# KiCad board central-control-unit.kicad_pcb (continued)
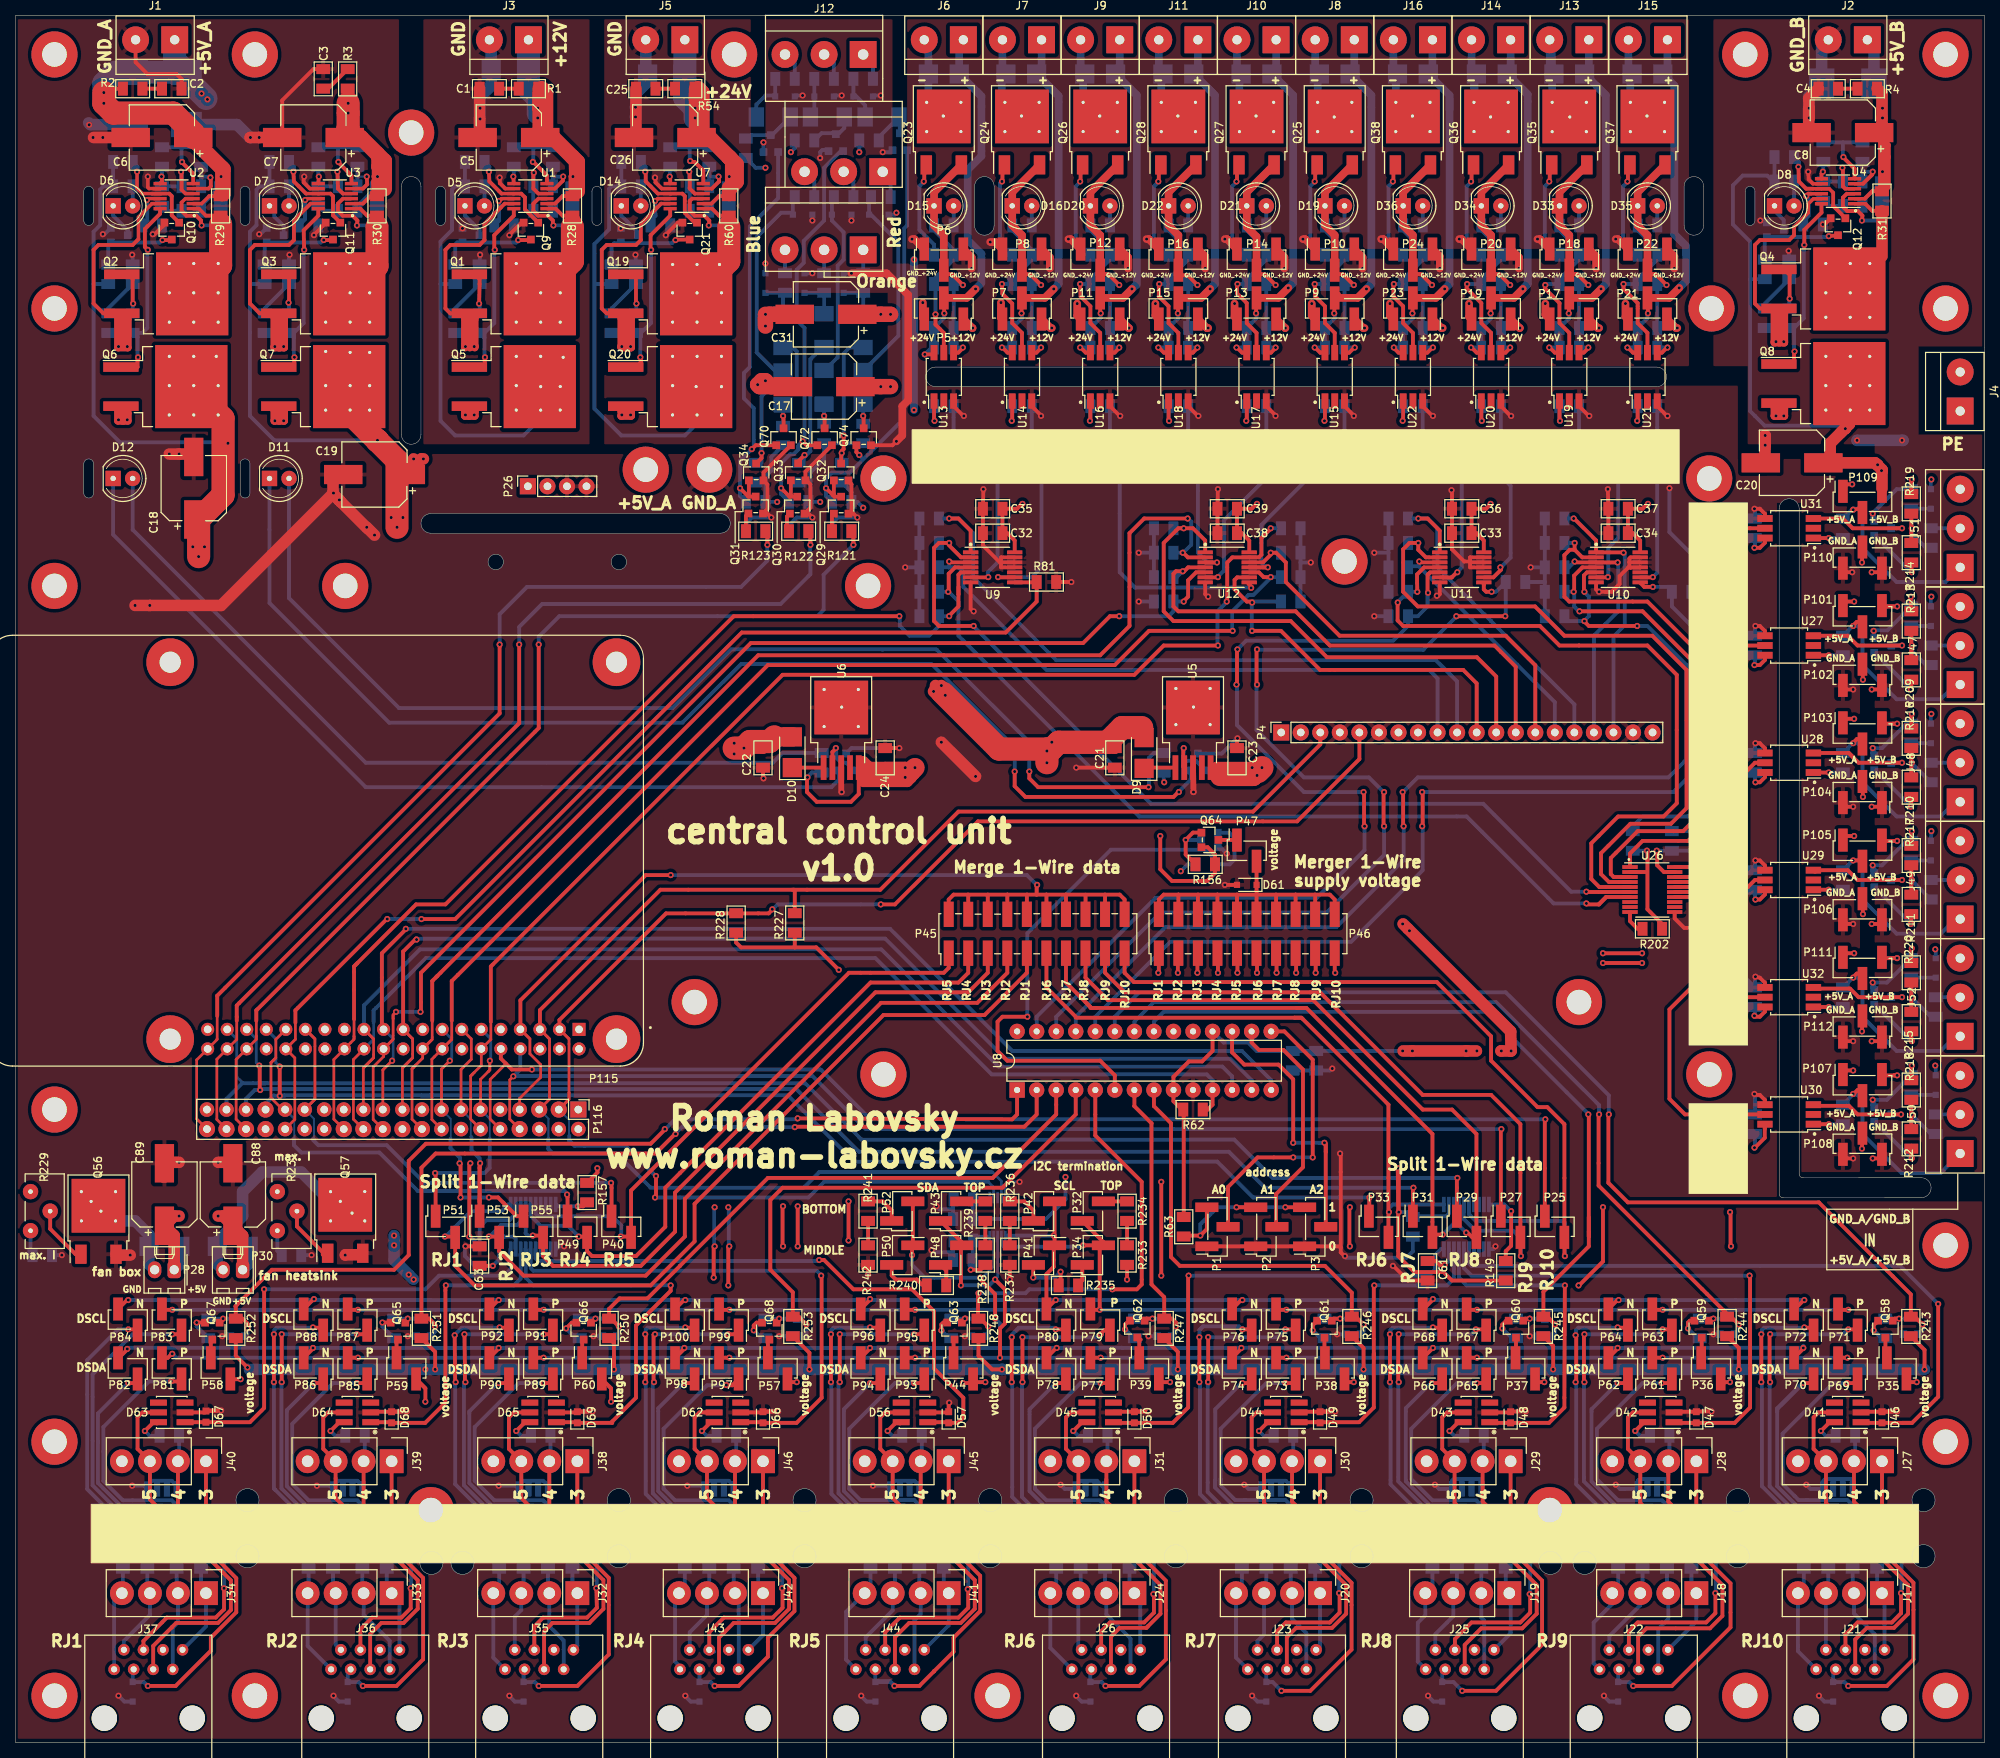
[diagram p0: board, top side]
## Routing (per net, layer and track width the routed paths; a pad name or vN(x,y) marks a point on that pad's centre or on a via; arc(x,y) is an arc through that point) (continued)
  Bottom w0.5: 72.39,203.58 R24.1 69.85,199.77 R5.1
  Bottom w1.5: 66.67,220.73 66.67,217.16 66.44,216.92 66.44,215.25 67.94,213.74 ; 67.94,211.84 67.94,211.2
  Bottom w3: J3.1 66.67,215.01 67.94,213.74 67.94,211.84
  vias: v1(67.88,211.2)
Net-(D4-A1): length 48.1
  Top w0.25: 240.33,200.7 241.3,201.68
  Top w0.45: U4.2 240.33,200.7
  Top w0.5: R31.2 241.3,201.68 240.35,200.73 240.33,200.73
  Top w1: 243.21,206.12 243.21,202.31 R31.2 242.57,204.22 ; 243.21,206.12 243.21,207.64 C8.1 242.57,208.28 242.57,204.22 ; 243.21,206.12 242.57,204.22 ; 242.57,204.22 v1(242.63,204.22) 242.57,205.49
  Top w1.5: C8.1 242.57,210.31 242.57,214.38 R4.1
  Bottom w0.5: 242.57,204.22 R27.1 240.03,200.41 240.03,199.77
  Bottom w1.5: 242.57,211.2 242.57,214.6 D4.1 241.53,220.5 J2.1
  vias: v1(242.63,212.47) v1(242.63,211.2)
Net-(D5-A): length 2.5
  Bottom w0.5: R48.2 D5.2
Net-(D5-K): length 4.6
  Bottom w0.5: Q13.3 60.3,196.62 58.42,198.5 D5.1
Net-(D6-A): length 2.5
  Bottom w0.5: R49.2 D6.2
Net-(D6-K): length 4.6
  Bottom w0.5: D6.1 12.7,198.5 14.6,196.6 Q14.3
Net-(D7-A): length 2.5
  Bottom w0.5: R50.2 D7.2
Net-(D7-K): length 4.3
  Bottom w0.5: Q15.3 34.85,197.16 33.66,198.36 33.66,199.77
Net-(D8-A): length 2.5
  Bottom w0.5: 231.14,200.41 R51.2
Net-(D8-K): length 4.2
  Bottom w0.5: 228.6,200.41 228.6,199.14 229.8,197.94 Q16.3
Net-(D9-K): length 4.1
  Top w0.5: D9.1 146.78,126.75 U5.1
Net-(D10-K): length 4.1
  Top w0.5: U6.1 D10.1
Net-(D11-A): length 152.5
  Top w0.5: 147.32,124.21 v1(147.26,124.21) 132.91,124.21 131.76,125.35 v1(131.76,126.24)
  Bottom w0.5: D11.2 35.56,148.78 49.85,134.49 85.41,134.49 93.03,142.11 119.7,142.11 131.76,130.05 v1(131.76,126.24) ; 147.32,124.21 147.32,128.02 147.96,128.65 R52.2
Net-(D11-K): length 157.8
  Top w0.5: 151.13,123.57 150.5,122.94 131.25,122.94 129.86,124.33 v1(129.86,126.24)
  Bottom w0.5: Q17.2 152.72,125.16 151.19,123.63 v1(151.19,123.57) 151.13,123.57 ; D11.1 33.02,148.15 48.58,132.59 86.68,132.59 94.3,140.21 119.06,140.21 129.86,129.41 v1(129.86,126.24)
Net-(D12-A): length 109.3
  Bottom w0.5: R53.2 99.69,128.65 98.42,127.38 45.53,127.38 15.24,157.67 D12.2
Net-(D12-K): length 116.8
  Bottom w0.5: D12.1 12.7,157.04 45.53,124.21 106.05,124.21 107,125.16 Q18.2
Net-(D13-A1): length 63.5
  Top w0.45: U7.2 90.47,200.07
  Top w0.5: 90.47,200.07 91.44,201.04 92.71,201.04
  Top w1: 92.71,206.12 R59.1 92.71,201.04
  Top w1.5: 88.27,213.55 R54.1 ; 88.27,213.55 88.27,214.38 ; 88.27,213.55 88.27,208.91 C26.1 89.53,208.66 ; 90.17,208.66 92.79,206.04 ; 92.79,201.12 92.79,202.04
  Top w2: 92.9,202.15 92.79,202.04 93.66,202.91 93.66,205.17 90.17,208.66 C26.1 89.22,209.36 89.22,214.5 88.71,215.01 ; 92.9,205.93 92.71,206.12
  Bottom w0.5: R55.1 90.17,199.77 R59.1 v1(92.77,203.58) 92.71,203.58
  Bottom w1.5: 87,220.73 87,217.16 D13.1 86.75,213.98 ; 88.27,212.47 88.27,211.2
  Bottom w3: v1(88.33,211.2) v1(88.33,212.47) 87,213.8 J5.1
Net-(D14-A): length 2.5
  Bottom w0.5: R67.2 D14.2
Net-(D14-K): length 4.7
  Bottom w0.5: Q22.3 80.89,196.35 78.74,198.5 D14.1
Net-(D15-A): length 2.5
  Bottom w0.5: D15.2 R96.2
Net-(D15-K): length 31.4
  Top w0.5: 120.55,191.52 P6.2 121.18,190.88 121.73,190.88 v1(123.13,189.48) ; U13.4 122.53,180.7 123.19,181.36
  Top w1: P6.2 120.65,195.96 119.38,197.23 119.38,201.55 Q23.2
  Bottom w0.5: 123.19,181.36 v1(123.13,181.36) C40.2 C41.2 R98.2 123,189.61 v1(123.13,189.48)
Net-(D16-A): length 2.5
  Bottom w0.5: D16.2 R97.2
Net-(D16-K): length 31.9
  Top w0.5: 129.54,199.77 129.54,200.41 ; 133.35,181.36 132.69,180.7 U14.4 ; P8.2 131.34,190.88 131.89,190.88 v1(133.29,189.48)
  Top w1: P8.2 130.81,195.96 129.54,197.23 129.54,201.55 Q24.2
  Bottom w0.5: 133.35,181.36 v1(133.29,181.36) C42.2 C43.2 R100.2 133.16,189.61 v1(133.29,189.48)
Net-(D17-A): length 24.9
  Top w0.5: 118.11,213.94 Q23.3
  Bottom w0.5: Q23.3 118.65,213.4 D17.2 118.65,220.19 118.11,220.73
  Bottom w1: J6.2 118.65,220.82 D17.2 118.65,213.39 120.59,211.45
Net-(D17-K): length 58.7
  Top w0.5: P5.2 v1(120.71,185.8) 120.65,185.8 ; 119.38,180.7 119.15,180.47 v1(118.17,180.47)
  Top w1: P5.2 123.61,187.81 v1(124.78,188.98)
  Bottom w0.5: 125.09,214.47 D17.1 ; D17.1 122.65,216.82 125.09,214.38 ; D17.1 123.19,217.46 ; 120.65,185.8 120.65,185.17 119.38,183.9 119.38,181.36 119.06,181.36 v1(118.17,180.47) ; 125.09,189.29 v1(124.78,188.98)
  Bottom w1: J6.1 122.65,220.82 D17.1 124.92,214.65 ; 124.92,214.65 125.54,214.03 125.54,206.25 123.76,204.47 123.76,195.33 125.54,193.55 125.54,189.74 ; 124.92,214.65 125.3,214.27 ; 125.41,189.61 v1(124.78,188.98)
Net-(D18-A): length 22.5
  Bottom w0.5: J7.2 128.27,216.38 128.18,216.28 128.18,214.03 Q24.3
  Bottom w1: 128.18,214.03 128.18,214.03 ; 128.18,214.03 130.75,211.45 ; 128.18,214.03 128.18,216.38 D18.2 128.27,217.36 J7.2
Net-(D18-K): length 54.4
  Top w0.5: 129.54,180.7 128.93,180.7 128.21,181.42 v1(128.21,181.36) 128.27,181.36 ; P7.2 v1(130.75,185.8)
  Top w1: P7.2 133.77,187.81 v1(134.94,188.98)
  Bottom w0.5: 133.35,216.28 D18.1 ; 128.27,181.36 129.54,181.36 129.54,183.9 130.81,185.17 130.81,185.8 ; 135.26,189.29 v1(134.94,188.98)
  Bottom w1: 135.57,190.25 135.57,189.61 v1(134.94,188.98) ; 135.57,190.25 135.57,214.06 D18.1 ; 135.57,190.25 135.57,189.74 ; D18.1 133.35,217.55 J7.1 ; D18.1 135.46,214.17
Net-(D19-A): length 2.5
  Bottom w0.5: D19.2 R106.2
Net-(D19-K): length 31.5
  Top w0.5: 173.99,181.36 173.33,180.7 U15.4 ; 173.99,181.36 174.05,181.42 v1(174.05,181.36) 173.99,181.36 ; v1(173.93,189.48) 172.53,190.88 171.98,190.88 P10.2
  Top w1: P10.2 171.45,195.96 170.18,197.23 D19.1 170.18,201.55 Q25.2
  Bottom w0.5: 173.99,181.36 C44.2 R108.2 172.85,189.48 v1(173.93,189.48)
Net-(D20-A): length 2.5
  Bottom w0.5: D20.2 R107.2
Net-(D20-K): length 31.3
  Top w0.5: P12.2 141.5,190.88 142.05,190.88 v1(143.45,189.48) ; 143.51,181.36 142.85,180.7 U16.4
  Top w1: P12.2 140.97,195.96 139.7,197.23 139.7,201.55 Q26.2
  Bottom w0.5: 143.51,181.36 v1(143.45,181.36) C45.2 C49.2 R111.2 143.32,189.61 v1(143.45,189.48)
Net-(D21-A): length 2.5
  Bottom w0.5: D21.2 R109.2
Net-(D21-K): length 31.3
  Top w0.5: 163.83,181.36 163.17,180.7 U17.4 ; P14.2 161.82,190.88 162.37,190.88 v1(163.77,189.48)
  Top w1: Q27.2 160.02,201.55 D21.1 160.02,197.04 161.29,195.77 P14.2
  Bottom w0.5: 163.83,181.36 v1(163.77,181.36) C47.2 C50.2 R113.2 163.64,189.61 v1(163.77,189.48)
Net-(D22-A): length 2.5
  Bottom w0.5: D22.2 R110.2
Net-(D22-K): length 31.8
  Top w0.5: 153.67,181.36 153.01,180.7 U18.4 ; v1(153.61,189.48) 152.34,190.75 151.19,190.75 151.13,190.69 P16.2
  Top w1: P16.2 151.13,195.96 149.86,197.23 D22.1 149.86,201.55 Q28.2
  Bottom w0.5: C48.2 v1(153.61,181.36) 153.67,181.36 ; 152.4,181.99 152.4,184.53 ; C51.2 R115.2 153.48,189.61 v1(153.61,189.48)
Net-(D23-A): length 18.3
  Bottom w0.5: 169.45,220.82 J8.2 ; 169.45,216.28 169.45,213.4 Q25.3
  Bottom w1: J8.2 168.91,217.46 D23.2 ; D23.2 169.45,217.33 ; D23.2 169.23,216.69 169.23,213.23 171.13,211.33 171.39,211.33
Net-(D23-K): length 55.3
  Top w0.5: U15.6 169.57,180.7 168.91,181.36 ; 168.91,181.36 168.85,181.42 v1(168.85,181.36) 168.91,181.36 ; 171.98,188.34 P9.2 v1(171.39,185.8) 171.45,185.8 ; 174.94,188.34 v1(175.58,188.98)
  Top w1: v1(175.58,188.98) 174.41,187.81 P9.2
  Bottom w0.5: 173.45,220.82 J8.1 ; 168.91,181.36 C44.1 C46.1 171.45,185.17 171.45,185.8 ; 175.9,189.29 v1(175.58,188.98)
  Bottom w1: D23.1 173.45,216.91 176.1,214.26 ; D23.1 173.99,217.46 J8.1 ; D23.1 176.21,214.15 176.21,189.61 v1(175.58,188.98)
Net-(D24-A): length 17.3
  Bottom w0.5: Q26.3 138.97,213.4 138.97,216.28
  Bottom w1: J9.2 138.43,217.46 D24.2 138.75,216.69 138.75,213.23 ; 138.97,213.77 138.97,213.39 140.91,211.45
Net-(D24-K): length 50.3
  Top w0.5: 141.08,187.71 P11.2 140.97,185.8 ; 139.7,180.7 139.09,180.7 138.37,181.42 v1(138.37,181.36) 138.43,181.36
  Top w1: v1(145.1,188.98) 143.93,187.81 P11.2
  Bottom w0.5: 138.43,181.36 139.7,181.36 139.7,183.9 141.05,185.25 141.05,185.72 141.03,185.74 v1(141.03,185.8) 140.97,185.8
  Bottom w1: 145.62,189.5 v1(145.1,188.98) 145.42,189.29 ; J9.1 143.51,217.46 D24.1 144.92,214.96 ; 144.92,214.96 145.73,214.15 145.73,189.5 ; 144.92,214.96 145.62,214.27
Net-(D25-A): length 17.3
  Bottom w0.5: Q27.3 159.29,213.4 159.29,216.28
  Bottom w1: 159.07,213.23 159.07,216.69 D25.2 158.75,217.46 158.75,221.36 ; 161.23,211.45 159.29,213.39 159.29,213.77
Net-(D25-K): length 49.6
  Top w0.5: U17.6 159.41,180.7 158.75,181.36 ; P13.2 v1(161.23,185.8) 161.29,185.8 ; 158.75,181.36 v1(158.69,181.36) 158.69,181.42 158.75,181.36
  Top w1: P13.2 164.13,187.81 v1(165.42,189.1)
  Bottom w0.5: 158.75,181.36 C47.1 C50.1 161.29,185.17 161.29,185.8 ; 165.74,189.42 v1(165.42,189.1)
  Bottom w1: 166.05,213.11 166.05,189.74 v1(165.42,189.1) ; 166.05,213.11 166.05,213.67 ; 166.05,213.11 166.05,214.15 D25.1 163.83,217.46 J10.1
Net-(D26-A): length 17.1
  Bottom w0.5: 149.13,216.28 149.13,213.4 Q28.3
  Bottom w1: 151.07,211.45 150.69,211.45 148.91,213.23 148.91,216.69 D26.2 148.59,217.46 148.59,221.36
Net-(D26-K): length 50.9
  Top w0.5: 151.13,185.8 v1(151.07,185.8) P15.2 151.24,187.71 ; 148.59,181.36 149.25,180.7 U18.6 ; 148.59,181.36 148.53,181.42 v1(148.53,181.36) 148.59,181.36
  Top w1: v1(155.26,188.98) 154.09,187.81 P15.2
  Bottom w0.5: 148.59,181.36 C48.1 ; 151.13,185.8 151.13,185.17 C51.1 ; 149.86,181.99 149.86,184.53 ; 155.58,189.29 v1(155.26,188.98)
  Bottom w1: 155.66,189.38 v1(155.26,188.98) 155.89,189.61 155.89,214.15 154.89,215.15 ; J11.1 153.67,217.46 D26.1 154.89,215.15 ; 155.66,214.39 154.89,215.15
Net-(D27-A): length 18.3
  Top w0.5: 107.63,169.67 107.63,168.15 107.38,167.89 v1(107.38,167.64) 107.31,167.57 Q32.3
  Bottom w0.5: R127.2 v1(107.38,167.64) ; D27.2 108.39,181.36 107.63,180.59 v1(107.63,169.93)
Net-(D27-K): length 5.3
  Bottom w0.5: D30.1 R130.1 D27.1
Net-(D28-A): length 19.2
  Top w0.5: Q33.3 101.72,166.56 v1(102.55,167.39)
  Bottom w0.5: 102.68,167.26 103.31,167.89 103.31,179.83 104.84,181.36 D28.2 ; 102.68,167.26 R128.2 102.55,167.13 ; 102.68,167.26 v1(102.55,167.39)
Net-(D28-K): length 5.3
  Bottom w0.5: D31.1 R131.1 D28.1
Net-(D29-A): length 21.3
  Top w0.5: v1(96.96,167.64) 96.96,166.98 Q34.3
  Bottom w0.5: D29.2 101.03,181.36 101.54,180.85 101.54,177.29 100.27,176.02 97.98,176.02 96.96,175.01 96.96,166.37
Net-(D29-K): length 5.4
  Bottom w0.5: D32.1 R132.1 99.76,188.21 D29.1
Net-(D33-A): length 2.5
  Bottom w0.5: R137.2 D33.2
Net-(D33-K): length 31.3
  Top w0.5: P18.2 202.46,190.88 203.01,190.88 v1(204.41,189.48) ; 204.47,181.36 203.81,180.7 U19.4
  Top w1: P18.2 201.93,195.96 200.66,197.23 200.66,201.55 Q35.2
  Bottom w0.5: 204.47,181.36 v1(204.41,181.36) C52.2 R141.2 203.33,189.48 v1(204.41,189.48)
Net-(D34-A): length 2.5
  Bottom w0.5: R138.2 D34.2
Net-(D34-K): length 31.3
  Top w0.5: P20.2 192.3,190.88 192.85,190.88 v1(194.25,189.48) ; 194.31,181.36 193.65,180.7 U20.4
  Top w1: Q36.2 190.5,201.55 D34.1 190.5,197.23 191.77,195.96 P20.2
  Bottom w0.5: 194.31,181.36 v1(194.25,181.36) C53.2 R142.2 194.12,189.61 v1(194.25,189.48)
Net-(D35-A): length 2.5
  Bottom w0.5: D35.2 R139.2
Net-(D35-K): length 31.5
  Top w0.5: P22.2 212.62,190.88 213.17,190.88 v1(214.57,189.48) ; 214.63,181.36 213.97,180.7 U21.4 ; 214.63,181.36 214.69,181.42 v1(214.69,181.36) 214.63,181.36
  Top w1: Q37.2 210.82,201.55 210.82,197.23 212.09,195.96 P22.2
  Bottom w0.5: 214.63,181.36 C54.2 R143.2 213.49,189.48 v1(214.57,189.48)
Net-(D36-A): length 2.5
  Bottom w0.5: R140.2 D36.2
Net-(D36-K): length 31.5
  Top w0.5: U22.4 183.49,180.7 184.15,181.36 ; P24.2 182.14,190.88 182.69,190.88 v1(184.09,189.48) ; 184.15,181.36 184.21,181.42 v1(184.21,181.36) 184.15,181.36
  Top w1: P24.2 181.61,195.96 180.34,197.23 D36.1 180.34,201.55 Q38.2
  Bottom w0.5: 184.15,181.36 C55.2 R144.2 183.96,189.61 v1(184.09,189.48)
Net-(D37-A): length 22.5
  Bottom w0.5: J13.2 199.93,220.82 199.93,213.4 Q35.3
  Bottom w1: J13.2 199.39,217.46 D37.2 199.71,216.69 199.71,213.23 201.61,211.33 201.99,211.33
Net-(D37-K): length 51.2
  Top w0.5: 199.39,181.36 200.05,180.7 200.66,180.7 ; 199.39,181.36 v1(199.33,181.36) 199.33,181.42 199.39,181.36 ; 201.93,185.8 v1(201.87,185.8) P17.2
  Top w1: v1(206.06,188.98) 204.89,187.81 P17.2
  Bottom w0.5: 203.93,220.82 J13.1 ; 199.39,181.36 200.66,181.36 200.66,183.9 201.93,185.17 201.93,185.8
  Bottom w1: 205.57,215.28 206.69,214.15 206.69,189.61 v1(206.06,188.98) 206.38,189.29 ; 205.57,215.28 206.45,214.4 ; 205.57,215.28 D37.1 204.47,217.46 J13.1
Net-(D38-A): length 18
  Bottom w0.5: 189.87,220.73 J14.2 ; 189.87,216.28 189.87,213.3 Q36.3
  Bottom w1: J14.2 189.23,217.55 D38.2 189.55,216.6 189.55,213.23 191.45,211.33 191.71,211.33
Net-(D38-K): length 56.3
  Top w0.5: U20.6 189.89,180.7 189.23,181.36 ; 191.88,187.81 P19.2 v1(191.71,185.8) 191.77,185.8 ; 189.23,181.36 v1(189.17,181.36) 189.17,181.42 189.23,181.36 ; 195.26,188.34 v1(195.9,188.98)
  Top w1: v1(195.9,188.98) 194.73,187.81 P19.2
  Bottom w0.5: 193.87,220.92 J14.1 ; 191.77,185.8 191.77,185.17 C57.1 C53.1 189.23,181.36 ; 196.22,189.29 v1(195.9,188.98)
  Bottom w1: 196.42,214.36 D38.1 ; D38.1 194.31,217.36 J14.1 ; D38.1 196.53,214.25 196.53,191.01 ; 196.53,189.74 196.53,191.01 ; 196.53,191.01 196.53,189.61 v1(195.9,188.98) 196.42,189.5
Net-(D39-A): length 17.9
  Bottom w0.5: 210.09,220.82 209.55,221.36 ; 210.09,216.4 210.09,213.4 Q37.3
  Bottom w1: J15.2 209.61,217.39 D39.2 209.87,216.69 209.87,213.23 211.65,211.45 212.03,211.45
Net-(D39-K): length 72.1
  Top w0.5: 210.82,180.7 210.21,180.7 209.55,181.36 ; 212.09,185.8 v1(212.15,185.8) P21.2 ; 209.55,181.36 209.49,181.42 v1(209.49,181.36) 209.55,181.36 ; 215.46,188.34 v1(216.22,189.1)
  Top w1: v1(216.22,189.1) 214.93,187.81 P21.2
  Bottom w0.5: 214.09,220.82 214.63,221.36 ; 212.09,185.8 212.09,185.17 210.82,183.9 210.82,181.36 209.55,181.36 ; 215.68,214.6 215.58,214.5 215.58,196.72 ; v1(216.22,189.1) 216.54,189.42
  Bottom w1: 215.58,208.79 215.58,215.42 D39.1 214.69,217.52 J15.1 ; 217.11,193.55 217.11,194.56 215.58,196.09 ; 217.11,193.55 217.11,189.99 v1(216.22,189.1) 216.62,189.5 ; 217.11,193.55 217.11,194.06 ; 215.58,196.09 215.58,209.3 ; 215.58,196.09 216.62,195.05
Net-(D40-A): length 17.8
  Bottom w0.5: 179.61,220.82 J16.2 ; Q38.3 179.61,213.4 179.61,216.28
  Bottom w1: 181.55,211.45 181.17,211.45 179.39,213.23 179.39,216.69 D40.2 179.07,217.46 J16.2
Net-(D40-K): length 51.3
  Top w0.5: 181.72,187.81 P23.2 v1(181.55,185.8) 181.61,185.8 ; 179.07,181.36 179.73,180.7 U22.6
  Top w1: P23.2 184.57,187.81 v1(185.74,188.98)
  Bottom w0.5: 183.61,220.82 J16.1 ; 181.61,185.8 181.61,185.17 C59.1 C55.1 v1(179.13,181.36) 179.07,181.36 ; 186.06,189.29 v1(185.74,188.98)
  Bottom w1: 186.37,213.79 186.37,212.34 ; 186.37,212.34 186.37,189.61 v1(185.74,188.98) ; 186.37,212.34 186.37,214.15 D40.1 184.15,217.46 J16.1
Net-(D41-K-Pad6): length 4.4
  Top w0.5: v1(234.63,40.51) 235.78,41.66 D41.6
  Bottom w0.5: v1(234.63,40.51) 235.27,39.88 R270.1
Net-(D42-K-Pad6): length 4.2
  Top w0.5: v1(210.5,40.51) 211.65,41.66 D42.6
  Bottom w0.5: v1(210.5,40.51) 211.14,39.88 R266.1
Net-(D43-K-Pad6): length 4.4
  Top w0.5: v1(186.37,40.51) 187.52,41.66 D43.6
  Bottom w0.5: v1(186.37,40.51) 187.01,39.88 R268.1
Net-(D44-K-Pad6): length 4.4
  Top w0.5: D44.6 162.75,41.66 v1(161.61,40.51)
  Bottom w0.5: v1(161.61,40.51) 162.24,39.88 R271.1
Net-(D45-K-Pad6): length 4.4
  Top w0.5: v1(137.48,40.51) 138.62,41.66 D45.6
  Bottom w0.5: R269.1 138.11,39.88 v1(137.48,40.51)
Net-(D56-K-Pad6): length 4.7
  Top w0.5: 114.94,41.48 D56.6 114.49,41.66 v1(113.35,40.51)
  Bottom w0.5: v1(113.35,40.51) 113.98,39.88 R267.1
Net-(D58-A): length 16
  Bottom w1.5: P28.2 17.37,62.2 17.37,66.01 15.56,67.82 12.38,67.82 8.57,71.63
Net-(D59-A): length 30.1
  Bottom w1.5: P30.2 26.26,62.2 26.26,65.18 29.53,68.45 29.53,71.63 32.07,74.17 37.15,74.17 43.5,67.82 44.13,67.82
Net-(D62-K-Pad6): length 4.2
  Top w0.5: v1(89.22,40.51) 90.36,41.66 D62.6
  Bottom w0.5: R275.1 89.85,39.88 v1(89.22,40.51)
Net-(D63-K-Pad6): length 4.7
  Top w0.5: 18.41,41.48 D63.6 17.97,41.66 v1(16.83,40.51)
  Bottom w0.5: v1(16.83,40.51) 17.46,39.88 R274.1
Net-(D64-K-Pad6): length 4.4
  Top w0.5: D64.6 42.1,41.66 v1(40.96,40.51)
  Bottom w0.5: v1(40.96,40.51) 41.59,39.88 R272.1
Net-(D65-K-Pad6): length 4.4
  Top w0.5: v1(65.09,40.51) 66.23,41.66 D65.6
  Bottom w0.5: R273.1 65.72,39.88 v1(65.09,40.51)
Net-(D74-A-Pad1): length 37
  Top w0.5: P61.1 214.74,46.74 214,46.74
  Bottom w0.5: 214,46.74 v1(213.93,46.74) 211.46,46.74 205.52,40.8 205.52,34.26 208.28,31.5 214,31.5 214.63,30.86 D74.1 215.49,27.47 R162.2
Net-(D74-A-Pad2): length 31.9
  Top w0.5: 209.45,47.37 P62.1 ; P62.1 209.02,46.74 v1(208.22,46.74) ; P62.1 209.15,46.86
  Bottom w0.5: 204.82,34.13 204.82,43.34 v1(208.22,46.74) ; 204.82,33.97 207.99,30.8 212.73,30.8 213.36,30.16 D74.2 213.36,26.42 R163.2
Net-(D74-A-Pad3): length 45.6
  Top w0.5: P63.1 215.16,53.72 v1(214.06,53.72) 214,53.72 ; v1(203.9,46.86) 203.84,46.93 203.84,53.09
  Bottom w0.5: v1(203.9,46.86) 203.9,46.61 203.84,46.55 203.84,33.96 207.7,30.1 211.46,30.1 212.09,29.46 212.09,25.78 R164.2 ; 214,53.72 213.36,53.09 v1(203.9,53.09) 203.84,53.09
Net-(D74-A-Pad4): length 43.6
  Top w0.5: 202.83,52.82 202.83,46.94 v1(202.76,46.86) ; 208.28,53.94 209.23,53.94 P64.1
  Bottom w0.5: 208.28,53.94 208.26,53.94 v1(208.22,53.97) 208.18,53.94 203.1,53.94 202.82,53.65 v1(202.76,52.96) 202.82,53.09 ; D74.4 210.6,27.47 R165.2 ; D74.4 210.82,28.96 ; D74.4 210.82,28.97 210.39,29.4 207.01,29.4 202.83,33.58 202.83,46.82 202.79,46.86 v1(202.76,46.86)
Net-(D75-A-Pad1): length 37
  Top w0.5: 189.87,46.74 v1(189.93,46.74) 190.61,46.74 P65.1
  Bottom w0.5: 189.87,46.74 187.33,46.74 181.39,40.8 181.39,34.26 184.15,31.5 189.87,31.5 190.5,30.86 D75.1 191.36,27.47 R166.2
Net-(D75-A-Pad2): length 35.2
  Top w0.5: P66.1 184.89,46.74 v1(184.09,46.74) ; P66.1 185.02,46.86 ; P66.1 185.32,47.37
  Bottom w0.5: 183.86,30.8 186.82,30.8 ; 183.86,30.8 180.69,33.97 180.69,43.47 184.09,46.86 ; 183.86,30.8 186.82,30.8 ; R167.2 189.23,26.42 D75.2 189.23,30.16 188.59,30.8 186.82,30.8
Net-(D75-A-Pad3): length 45.6
  Top w0.5: P67.1 191.03,53.72 189.87,53.72 ; 179.71,53.09 179.71,46.93 v1(179.77,46.86)
  Bottom w0.5: 179.71,53.09 v1(179.77,53.09) 189.23,53.09 189.8,53.66 v1(189.8,53.72) 189.87,53.72 ; v1(179.77,46.86) 179.77,46.61 179.71,46.55 179.71,33.96 183.57,30.1 187.33,30.1 187.96,29.46 D75.3 187.96,25.78 R168.2
Net-(D75-A-Pad4): length 42.2
  Top w0.5: P68.1 185.1,53.94 184.25,53.94 v1(184.21,53.97) 184.17,53.94 184.15,53.94 ; 178.7,46.94 v1(178.63,46.86) v1(178.63,53.09) 178.7,53.09
  Bottom w0.5: R169.2 186.47,27.47 D75.4 186.69,28.97 186.26,29.4 182.88,29.4 178.7,33.58 178.7,46.82 178.66,46.86 v1(178.63,46.86) ; 178.7,53.09 178.7,53.65 178.99,53.94 184.15,53.94
Net-(D76-A-Pad1): length 37
  Top w0.5: P69.1 238.87,46.74 238.12,46.74
  Bottom w0.5: 238.12,46.74 v1(238.06,46.74) 236.22,46.74 229.65,40.17 229.65,33.62 231.74,31.54 238.09,31.54 238.76,30.86 D76.1 239.62,27.47 R170.2
Net-(D76-A-Pad2): length 37.8
  Top w0.5: 233.58,47.37 P70.1 ; P70.1 233.28,46.86 ; P70.1 233.15,46.74 v1(232.35,46.74)
  Bottom w0.5: 228.95,43.02 228.95,43.34 v1(232.35,46.74) ; 228.95,43.02 228.95,33.33 231.45,30.84 236.86,30.84 237.49,30.2 D76.2 237.49,26.42 R171.2 ; 228.95,43.02 228.95,43.47 232.35,46.86
Net-(D76-A-Pad3): length 46
  Top w0.5: P71.1 239.29,53.72 v1(238.19,53.72) 238.12,53.72 ; v1(228.03,46.86) 227.97,46.93 227.97,53.09
  Bottom w0.5: 227.97,53.09 v1(228.03,53.09) 237.49,53.09 238.12,53.72 ; R172.2 236.22,25.78 D76.3 236.22,29.5 235.59,30.14 231.16,30.14 227.97,33.33 227.97,46.42 228.03,46.48 v1(228.03,46.86)
Net-(D76-A-Pad4): length 42.7
  Top w0.5: P72.1 233.36,53.94 232.51,53.94 v1(232.47,53.97) 232.43,53.94 232.41,53.94 ; 226.96,53.09 v1(226.89,53.09) v1(226.89,46.86) 226.96,46.94
  Bottom w0.5: v1(226.89,46.86) 226.89,46.96 226.96,47.04 226.96,33.34 230.87,29.44 234.48,29.44 234.95,28.97 D76.4 234.73,27.47 R173.2 ; 232.41,53.94 227.25,53.94 226.96,53.65 226.96,53.09
Net-(D77-A-Pad1): length 38.1
  Top w0.5: 165.1,46.74 165.84,46.74 166.37,47.27
  Bottom w0.5: 156.62,33.62 156.62,34.26 ; 156.62,34.26 156.62,40.8 162.56,46.74 v1(165.04,46.74) 165.1,46.74 ; 156.62,34.26 156.62,33.43 158.52,31.54 165.06,31.54 165.74,30.86 D77.1 166.59,27.47 R174.2
Net-(D77-A-Pad2): length 33.5
  Top w0.5: v1(159.45,46.74) 160.12,46.74 P74.1 ; 160.55,47.37 P74.1 ; P74.1 160.25,46.86
  Bottom w0.5: 155.92,33.33 155.92,34.13 ; 155.92,34.13 155.92,33.14 158.23,30.84 163.83,30.84 164.47,30.2 D77.2 164.47,26.42 R175.2 ; 155.92,34.13 155.92,43.34 159.45,46.86
Net-(D77-A-Pad3): length 46.5
  Top w0.5: v1(155,46.86) v1(155,52.71) 154.94,52.6 ; v1(155,46.86) 154.88,46.99 154.88,46.86 v1(155,46.86) ; v1(155,46.86) 154.94,46.93 ; 166.37,53.62 166.27,53.72 165.1,53.72
  Bottom w0.5: v1(155,46.86) 155,46.61 154.94,46.55 154.94,32.58 157.38,30.14 162.65,30.14 163.2,29.59 D77.3 163.2,25.78 R176.2 ; 165.1,53.72 v1(165.04,53.72) 165.04,53.66 164.07,52.69 155.34,52.69
Net-(D77-A-Pad4): length 43
  Top w0.5: 159.39,53.72 v1(159.45,53.72) 160.55,53.72 P76.1 ; v1(153.86,52.71) v1(153.86,46.86)
  Bottom w0.5: 159.39,53.72 158.99,54.12 154.35,54.12 153.88,53.65 ; 153.88,53.65 153.88,53.09 ; 153.88,53.65 154.16,53.94 ; R177.2 161.71,27.47 D77.4 161.93,28.97 161.46,29.44 156.81,29.44 153.94,32.31 153.94,46.82 153.89,46.86 v1(153.86,46.86)
Net-(D78-A-Pad1): length 37.8
  Top w0.5: P77.1 141.71,46.74 v1(141.03,46.74) 140.97,46.74
  Bottom w0.5: R178.2 142.46,27.47 D78.1 141.61,30.86 140.97,31.5 133.99,31.5 132.49,32.99 132.49,40.8 138.43,46.74 140.97,46.74
Net-(D78-A-Pad2): length 32.8
  Top w0.5: 136.12,46.86 P78.1 ; P78.1 136.42,47.37 ; P78.1 136,46.74 v1(135.19,46.74)
  Bottom w0.5: R179.2 140.34,26.42 D78.2 140.34,30.16 139.7,30.8 133.7,30.8 131.79,32.7 131.79,43.34 v1(135.19,46.74)
Net-(D78-A-Pad3): length 46.4
  Top w0.5: 142.14,53.62 P79.1 141.5,53.62 141.03,53.15 v1(141.03,53.09) 140.97,53.09 ; v1(130.87,52.71) v1(130.87,46.86)
  Bottom w0.5: 140.97,53.09 140.97,52.92 140.73,52.69 131.21,52.69 ; v1(130.87,46.86) 130.87,46.61 130.81,46.55 130.81,31.94 132.65,30.1 138.56,30.1 139.07,29.59 D78.3 139.07,25.78 R180.2
Net-(D78-A-Pad4): length 42.8
  Top w0.5: v1(129.48,52.71) v1(129.48,46.86) ; P80.1 136.42,53.72 135.26,53.72
  Bottom w0.5: 135.26,53.72 v1(135.19,53.72) 135.19,53.78 135.04,53.94 130.39,53.94 129.54,53.09 ; v1(129.48,46.86) 129.48,46.61 129.54,46.55 129.54,31.94 132.08,29.4 137.36,29.4 137.8,28.96 D78.4 137.58,27.47 R181.2
Net-(D79-A-Pad1): length 38.1
  Top w0.5: P81.1 21.27,46.95 20.32,46.95
  Bottom w0.5: R182.2 21.81,27.47 D79.1 20.95,30.86 20.32,31.5 13.97,31.5 11.43,34.04 11.43,41.02 17.36,46.95 20.22,46.95 v1(20.26,46.99) 20.3,46.95 20.32,46.95
Net-(D79-A-Pad2): length 32.5
  Top w0.5: v1(14.67,46.74) 15.35,46.74 P82.1 15.56,46.95
  Bottom w0.5: v1(14.67,46.74) 10.73,42.8 10.73,33.75 13.68,30.8 19.12,30.8 19.69,30.23 D79.2 19.69,26.42 R183.2
Net-(D79-A-Pad3): length 43.5
  Top w0.5: 20.32,53.09 v1(20.38,53.09) 21.06,53.09 P83.1 21.48,53.72
  Bottom w0.5: R184.2 18.41,26.42 D79.3 18.41,29.59 17.91,30.1 13.39,30.1 10.03,33.46 10.03,47.88 15.24,53.09 20.32,53.09
Net-(D79-A-Pad4): length 40.1
  Top w0.5: 14.6,53.72 v1(14.67,53.72) 15.77,53.72 P84.1
  Bottom w0.5: R185.2 16.29,27.47 D79.4 17.15,28.96 13.33,28.96 9.33,32.96 9.33,49.72 13.33,53.72 14.6,53.72
Net-(D80-A-Pad1): length 37.8
  Top w0.5: 44.45,46.74 45.19,46.74 P85.1
  Bottom w0.5: R186.2 45.94,27.47 D80.1 45.09,30.86 44.45,31.5 38.1,31.5 35.97,33.62 35.97,41.44 41.27,46.74 v1(44.39,46.74) 44.45,46.74
Net-(D80-A-Pad2): length 32.8
  Top w0.5: P86.1 39.48,46.74 v1(38.8,46.74) ; P86.1 39.6,46.86 ; P86.1 39.83,47.09
  Bottom w0.5: 38.93,46.86 v1(38.8,46.74) 38.67,46.74 38.67,46.61 35.27,43.21 35.27,33.33 37.81,30.8 43.25,30.8 43.81,30.23 D80.2 43.81,26.42 R187.2
Net-(D80-A-Pad3): length 45.8
  Top w0.5: v1(34.61,46.86) v1(34.61,53.09) ; P87.1 45.19,53.09 44.45,53.09
  Bottom w0.5: 34.54,53.09 v1(44.39,53.09) 44.45,53.09 ; R188.2 42.55,26.42 D80.3 42.55,29.59 42.04,30.1 37.52,30.1 34.57,33.04 34.57,46.83 v1(34.61,46.86)
Net-(D80-A-Pad4): length 43.2
  Top w0.5: v1(33.59,46.86) v1(33.59,53.09) ; P88.1 39.68,53.94 38.73,53.94
  Bottom w0.5: 33.66,32.97 33.76,32.87 ; 33.76,32.87 33.59,33.03 v1(33.59,46.86) ; 33.76,32.87 37.23,29.4 40.84,29.4 41.27,28.96 D80.4 ; R189.2 40.42,27.47 D80.4 ; 38.73,53.94 38.71,53.94 v1(38.67,53.97) 38.63,53.94 33.94,53.94 33.66,53.65 33.66,53.09 ; D80.4 41.27,28.32
Net-(D81-A-Pad1): length 38.1
  Top w0.5: 68.58,46.74 v1(68.64,46.74) 69.32,46.74 P89.1
  Bottom w0.5: 68.58,46.74 65.41,46.74 59.69,41.02 59.69,34.04 62.23,31.5 68.58,31.5 69.22,30.86 D81.1 70.07,27.47 R190.2
Net-(D81-A-Pad2): length 33
  Top w0.5: 63.73,46.86 P90.1 ; P90.1 64.03,47.37 ; P90.1 63.61,46.74 v1(62.8,46.74)
  Bottom w0.5: R191.2 67.94,26.42 D81.2 67.94,30.23 67.38,30.8 61.94,30.8 58.99,33.75 58.99,43.05 62.8,46.86
Net-(D81-A-Pad3): length 46.1
  Top w0.5: v1(58.48,46.86) 58.42,46.93 58.42,49.09 v1(58.36,53.09) 58.42,53.09 ; P91.1 69.32,53.09 v1(68.64,53.09) 68.58,53.09
  Bottom w0.5: v1(58.48,46.86) 58.48,46.86 58.29,46.68 58.29,33.46 61.65,30.1 66.17,30.1 66.67,29.59 D81.3 66.67,25.78 R192.2 ; 58.42,53.09 68.58,53.09
